# Altium PCB MCU.PcbDoc (part 3 of 3) (continued)
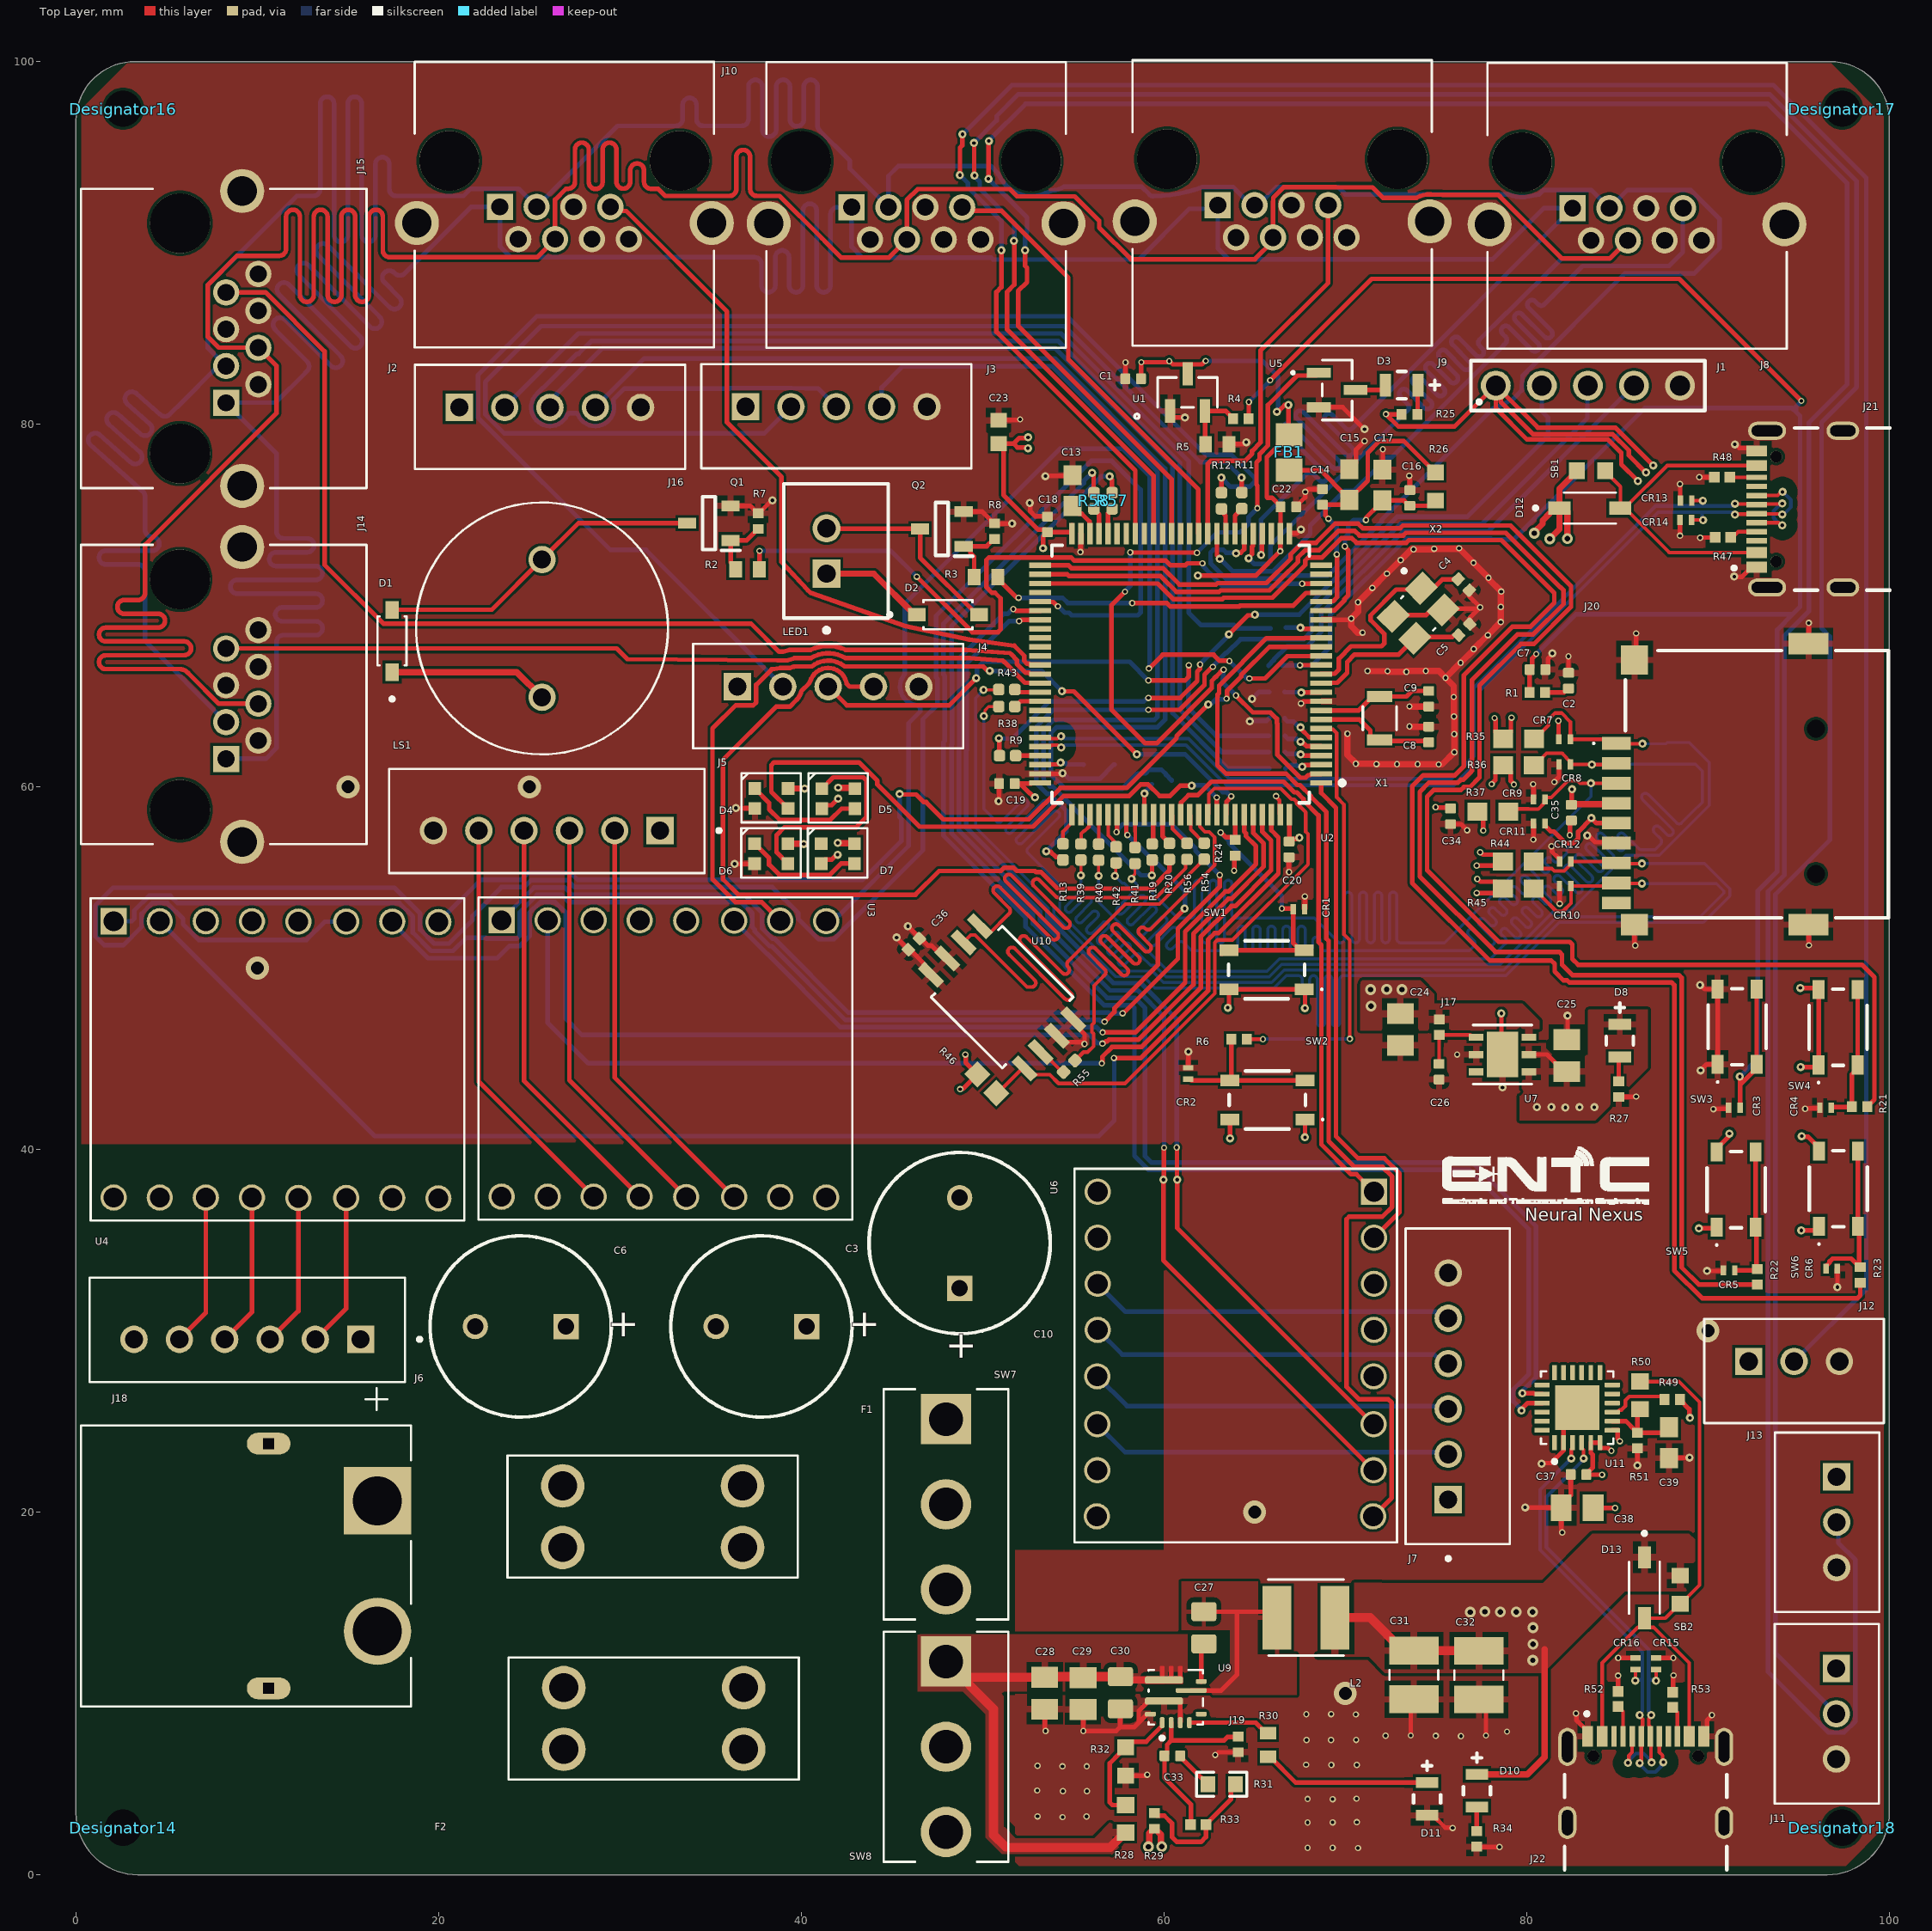
[diagram p0: Top Layer view]
## Nets (pads, with @x,y where several pads share a name; then routed paths per layer and width w, separated by ;. In a path a pad name is that pad's centre, name@x,y a point inside that pad or via, vN(x,y) a via of type N, cw(c..) or ccw(c..) an arc to the next point about the centre after c; other vN are vias at no path point) (continued)
SPI_CS: R46.1 U2.91 U10.1 | length 34.9
  Top Layer w0.2: R46.1@50.785,43.075 52.185,44.476 U10.1@52.306,44.476 52.656,44.126 53.704,44.126 54.188,43.642 57.85,43.642 62.81,48.603 62.81,51.414 62.956,51.56 63.78,51.56 67.945,55.725 67.945,57.397 67.82,57.522 67.82,58.596 67.32,59.096 67.32,59.174 67.174,59.32 67.034,59.32 66.439,59.915 62.775,59.915 62.47,59.61 62.47,58.52 U2.91@62.42,58.47
SPI_Flash_CLK: R54.2 U10.6 | length 31.3
  Top Layer w0.2: U10.6@48.947,51.427 49.348,51.827 49.584,51.827 52.451,48.96 52.47,48.96 52.705,48.96 ccw(c52.705,49.187) 52.866,49.348 51.456,50.757 cw(c51.617,50.917) 51.456,51.078 cw(c51.617,50.917) 51.777,51.078 54.547,48.308 ccw(c54.708,48.468) 54.868,48.308 ccw(c54.708,48.468) 54.868,48.629 52.1,51.398 cw(c52.26,51.558) 52.1,51.719 cw(c52.26,51.558) 52.421,51.719 54.395,49.744 ccw(c54.556,49.905) 54.716,49.744 ccw(c54.556,49.905) 54.716,50.065 cw(c54.877,50.226) 54.716,50.386 57.542,53.212 57.869,53.539 59.749,53.539 R54.2@62.22,56.01
SPI_Flash_MISO: R55.2 U10.2 | length 1.7
  Top Layer w0.2: U10.2@53.204,45.374 53.286,45.374 54.384,44.276 R55.2@54.466,44.276
SPI_Flash_MOSI: R56.1 U10.5 | length 31.7
  Top Layer w0.2: U10.5@49.845,52.325 50.196,51.974 50.431,51.974 51.388,52.932 51.459,53.002 ccw(c51.299,53.163) 51.459,53.323 50.641,54.141 cw(c50.802,54.302) 50.641,54.462 cw(c50.802,54.302) 50.962,54.462 53.795,51.63 ccw(c53.955,51.79) 54.116,51.63 ccw(c53.955,51.79) 54.116,51.951 51.283,54.783 cw(c51.444,54.944) 51.283,55.104 cw(c51.444,54.944) 51.604,55.104 54.437,52.272 ccw(c54.597,52.432) 54.758,52.272 ccw(c54.597,52.432) 54.758,52.593 52.818,54.532 cw(c52.979,54.693) 52.818,54.853 cw(c52.979,54.693) 53.139,54.853 54.038,53.955 ccw(c54.198,54.116) 54.198,53.889 55.757,53.889 59.569,53.889 61.192,55.512 61.192,55.922 R56.1@61.27,56
SW1: R21.1 U2.51 | length 88.1
  Top Layer w0.254: U2.51@53.17,72.22 54.743,72.22 54.897,72.066 59.946,72.066 60.854,71.158 62.876,71.158 62.958,71.24 65.65,71.24 66.985,72.575 66.985,72.819 67.621,73.455 68.378,73.455 69.445,74.522 70.699,74.522 70.953,74.268 73.026,74.268 73.176,74.417 79.113,74.417 82.45,71.08 82.45,69.93 80.4,67.88 79.69,67.88 77.4,65.59 77.4,60.52 76.87,59.99 76.543,59.99 76.385,59.832 74.882,59.832 74.51,59.46 74.51,55.4 78.46,51.45 82.371,51.45 82.52,51.301 82.52,50.51 82.84,50.19 98.49,50.19 99.18,49.5 99.18,42.756 98.967,42.543 98.937,42.543 98.794,42.4 R21.1@98.794,42.37
SW2: R22.1 U2.52 | length 90.5
  Top Layer w0.254: U2.52@53.17,71.72 54.671,71.72 54.767,71.624 59.817,71.624 59.937,71.504 60.687,70.754 63.044,70.754 63.126,70.836 65.817,70.836 66.485,71.504 67.389,72.408 67.389,72.652 67.788,73.051 68.546,73.051 69.613,74.118 70.531,74.118 70.785,73.864 73.193,73.864 73.343,74.013 78.853,74.013 81.882,70.984 81.897,70.984 82.039,70.842 82.039,70.091 80.349,68.4 79.49,68.4 76.98,65.89 76.98,60.9 76.95,60.87 76.95,60.834 76.51,60.394 76.375,60.394 76.217,60.236 74.616,60.236 74.106,59.726 74.106,55.064 78.27,50.9 81.801,50.9 81.95,50.751 81.95,50.19 82.52,49.62 88.401,49.62 88.55,49.471 88.55,33.5 89.502,32.548 R22.1@92.73,32.548
SW3: R23.1 U2.53 | length 96.9
  Top Layer w0.254: U2.53@53.17,71.22 59.649,71.22 59.769,71.1 60.519,70.35 63.211,70.35 63.293,70.432 65.985,70.432 66.653,71.1 67.793,72.24 67.793,72.485 67.955,72.647 68.713,72.647 69.78,73.714 70.364,73.714 70.618,73.46 73.361,73.46 73.51,73.609 78.603,73.609 81.525,70.687 81.525,70.147 80.207,68.83 79.21,68.83 76.58,66.2 ; 76.579,66.2 76.53,66.151 76.53,61.12 76.05,60.64 74.3,60.64 73.69,60.03 73.69,54.7 77.97,50.42 81.36,50.42 81.546,50.234 81.546,49.814 82.03,49.33 82.239,49.33 82.353,49.216 87.997,49.216 88.146,49.067 88.146,33.333 89.679,31.8 98.251,31.8 98.4,31.949 R23.1@98.4,32.648
SYS_RESET: C2.2 R1.2 | length 1.4
  Top Layer w0.254: R1.2@81.022,65.21 82.062,65.21 82.28,65.428 C2.2@82.31,65.428
USB2_CC1: J22.A5 R52.1 | length 1.8
  Top Layer w0.2: R52.1@85.05,9.27 85.055,9.27 85.32,9.005 J22.A5@85.32,7.63
USB2_CC2: J22.B5 R53.1 | length 1.7
  Top Layer w0.2: R53.1@88.05,9.23 88.055,9.23 88.25,9.035 88.25,9.03 88.32,8.96 J22.B5@88.32,7.63
USB2_DN: CR15.1 J22.A7 J22.B7 U11.4 | length 25.4
  Top Layer w0.2: U11.4@83.04,23.83 83.04,23.54 83.14,23.44 v2(83.14,22.96) ; v2(85.589,6.171) 85.637,6.219 85.637,6.572 85.82,6.755 J22.B7@85.82,7.63 ; v2(86.87,8.81) 86.87,8.742 86.745,8.617 86.745,8.222 86.77,8.197 86.77,7.68 J22.A7@86.82,7.63 86.855,7.595 86.855,6.227 v2(86.889,6.193) ; v2(87.14,10.7) CR15.1@87.14,11.32
  Bottom Layer w0.2: v2(83.14,22.96) 83.14,22.892 81.09,20.842 81.09,18.065 86.73,12.425 86.73,10.75 ; v2(85.589,6.171) 85.589,6.239 85.715,6.364 85.715,6.377 86.023,6.685 86.457,6.685 86.889,6.253 v2(86.889,6.193) ; v2(86.87,8.81) 86.87,8.878 86.73,9.018 86.73,10.75 ; v2(87.14,10.7) 87.092,10.748 86.732,10.748 86.73,10.75
USB2_DP: CR16.1 J22.A6 J22.B6 U11.3 | length 25.3
  Top Layer w0.2: v2(82.46,22.96) 82.46,23.46 82.54,23.54 U11.3@82.54,23.83 ; v2(85.99,10.71) 86,10.72 86,11.312 CR16.1@86.01,11.322 ; v2(86.24,6.16) 86.24,6.228 86.32,6.308 J22.A6@86.32,7.63 86.37,7.68 86.37,8.197 86.395,8.222 86.395,8.587 86.24,8.742 v2(86.24,8.81) ; J22.B6@87.32,7.63 87.32,6.755 87.491,6.584 87.491,6.253 v2(87.539,6.205)
  Bottom Layer w0.2: v2(82.46,22.96) 80.74,21.24 80.74,17.92 86.38,12.28 86.38,10.75 ; v2(85.99,10.71) 86.03,10.75 86.38,10.75 ; v2(86.24,6.16) 86.24,6.099 86.672,5.668 87.107,5.668 87.414,5.975 87.414,6.013 87.539,6.137 v2(87.539,6.205) ; v2(86.24,8.81) 86.24,8.878 86.38,9.018 86.38,10.75
USB_CC1: J21.A5 R47.1 | length 1.6
  Top Layer w0.2: R47.1@91.25,73.64 91.25,73.645 91.675,74.07 J21.A5@92.685,74.07
USB_CC2: J21.B5 R48.1 | length 1.5
  Top Layer w0.2: R48.1@91.2,77.08 91.21,77.07 J21.B5@92.685,77.07
V_IND: D11.1 R30.2 | length 9.4
  Top Layer w0.254: R30.2@65.74,6.51 65.84,6.51 67.27,5.08 D11.1@74.51,5.08
VBUS: D12.A J21.A4_B9 J21.B4_A9 SB1.2 | length 18.9
  Top Layer w0.2: SB1.2@84.33,77.43 84.33,77.4 85.17,76.56 D12.A@85.17,75.38 ; J21.A4_B9@92.685,72.92 87.87,72.92 85.41,75.38 87.75,77.72 J21.B4_A9@92.685,77.72
VBUS2: D13.A J22.A4_B9 J22.B4_A9 R50.1 SB2.2 | length 32.4
  Top Layer w0.2: J22.A4_B9@84.17,7.63 84.17,11.681 86.134,13.645 86.235,13.645 86.5,13.91 86.765,13.645 87.005,13.645 88.97,11.68 J22.B4_A9@88.97,7.63 ; R50.1@86.25,27.2 88.398,27.2 89.53,26.068 89.53,15.97 88.5,14.94 88.44,14.94 87.65,14.15 D13.A@86.5,14.15
VREF+: C16.2 C17.1 R26.1 U2.20 | length 11.3
  Top Layer w0.254: U2.20@68.67,69.72 68.693,69.743 69.406,69.743 69.951,70.288 69.951,70.359 70.17,70.578 70.17,73.033 69.967,73.236 v1(69.967,73.262) ; v1(71.14,74.72) 71.158,74.738 71.158,74.858 C17.1@71.864,75.563 ; C17.1@72.05,75.8 73.236,75.8 73.53,75.506 C16.2@73.56,75.506 74.696,75.506 R26.1@74.98,75.79
  Bottom Layer w0.254: v1(69.967,73.262) 69.986,73.28 69.986,73.761 70.17,73.945 70.17,74.43 70.457,74.717 71.137,74.717 v1(71.14,74.72)
pads on no net: D7.1 Designator14. Designator16. Designator17. Designator18. J8. J9. J10. J14. J15. J16. J20.CD1 J20.MH1 J20.MH2 J21. J21.A8 J21.B8 J22. J22.A8 J22.B8 SW7.3 SW8.3 U3.3 U3.4 U3.5 U4.3 U4.4 U4.5 U6.3 U6.4 U6.5 U7.3 U9.5 U11.1 U11.10 U11.11 U11.12 U11.13 U11.14 U11.15 U11.16 U11.17 U11.18 U11.19 U11.22 U11.23 U11.24

## Polygon pours and split planes (outlines as drawn)
GND on Top Layer "VEE_-5V0_L03_P-001" (solid, remove dead copper, pour order 104): 51.8,0.7 51.8,17.9 60,17.9 60,40.07 59.77,40.3 0.3,40.3 0.3,97.4 2.8,99.9 96.8,99.9 99.7,97 99.7,2.6 97.6,0.5 52,0.5
GND on Top Layer "VEE_-5V0_L03_P-001" (solid, pour order 103): 0.6,40.4 38.2,40.4 38.249,40.449 38.249,53.768 0.668,53.768 0.6,53.7 0.6,53.2
GND on Top Layer "VEE_-5V0_L03_P-001" (solid, pour order 5): 51.89,9.93 51.93,9.89 61.18,9.89 61.18,9.08 61.16,9.06 61.14,9.08 59.59,9.08 59.58,9.07 59.58,8.55 59.55,8.55 58.72,7.72 56.65,7.72 56.65,2.98 55.9,2.23 52.2,2.23 51.51,2.92 51.5,2.92 51.5,9.9 51.51,9.89 51.95,9.89
12V_LOGIC on Top Layer "VEE_-5V0_L03_P-001" (solid, pour order 4): 46.41,13.26 46.41,10.12 48.9,10.12 50.16,8.86 50.16,2.06 51.06,1.16 57.08,1.16 57.13,1.11 57.75,1.73 58.46,1.73 58.52,1.79 58.52,2.93 57.11,2.93 57.09,2.95 56.18,2.04 56.18,2 51.83,2 51.22,2.61 51.15,2.61 51.15,9.86 51.03,9.98 51.17,10.12 58.81,10.12 59.1,10.41 61,10.41 61.29,10.7 61.29,13.26 49.53,13.26 46.42,13.26 46.4,13.24
NetC27_1 on Top Layer "VEE_-5V0_L03_P-001" (solid, pour order 0): 60.62,10.34 60.62,9.92 67.33,9.92 67.33,16.18 60.97,16.18 60.96,16.19 60.96,13.5 63.64,13.5 63.64,11.6 62.38,10.34
5V on Top Layer "VEE_-5V0_L03_P-001" (solid, pour order 29): 70.82,49.16 70.82,46.57 79.45,46.57 79.68,46.8 79.7,46.78 79.7,45.88 80.75,45.88 80.72,45.91 80.71,45.91 80.71,47.11 79.76,48.06 74.89,48.06 74.89,48.58 74.14,49.33 70.86,49.33 70.86,49.13 70.85,49.12
GND on Top Layer "VEE_-5V0_L03_P-001" (solid, pour order 6): 56.86,0.57 66.91,0.57 66.91,9.18 62.89,9.18 62.89,7.65 56.87,7.65 56.86,7.64
5V on Top Layer "VEE_-5V0_L03_P-001" (solid, pour order 8): 72.01,16.1 72.02,16.09 80.91,16.09 80.91,11.13 72.18,11.13 71.29,12.02 68.46,12.02 68.46,16.09 68.45,16.1
5V on Top Layer "VEE_-5V0_L03_P-001" (solid, pour order 42): 83.63,18.81 88.96,18.81 89.73,18.04 89.72,18.03 89.72,15.63 85.42,15.63 80.92,11.13 79.78,11.13 79.78,14.96
3V3 on Top Layer "VEE_-5V0_L03_P-001" (solid, pour order 31): 79.7,45.88 81.06,45.88 81.06,45.59 81.44,45.21 83.38,45.21 83.38,47.67 83.44,47.73 86.69,47.73 86.69,44.506 83.794,41.61 79.62,41.61 79.62,45.686
GND on Top Layer "VEE_-5V0_L03_P-001" (solid, pour order 30): 74.56,46.26 74.43,46.39 70.84,46.39 70.8,46.35 70.8,43.1 79.57,43.1 79.66,43.19 79.565,43.285 79.565,46.685 77.76,46.685 77.56,46.485 77.56,45.98 75.71,45.98 75.44,45.71 74.76,46.39 74.39,46.39
GND on Top Layer "VEE_-5V0_L03_P-001" (solid, pour order 7): 67.15,9.6 68.05,10.5 71.69,10.5 72.04,10.85 72.05,10.84 80.04,10.84 80.49,10.84 80.49,6.66 73.25,6.66 73.25,0.87 67.14,0.87 67.14,9.62
5V on Power "VEE_-5V0_L03_P-001" (solid, pour order 62): 94.96,3.73 7.89,3.73 5.06,6.56 5.06,27.13 3.9,28.29 3.9,54.49 13.68,64.27 19.52,64.27 21.9,61.89 28.19,61.89 30.13,63.83 34.73,63.83 36.414,62.146 36.414,61.58 37.85,61.58 39.96,63.69 38.7,64.95 37.77,64.95 37.77,66.75 40.64,69.62 42,69.62 43.37,70.99 43.17,71.19 43.17,74.59 41.87,75.89 41.87,78.25 40.24,78.25 37.92,80.57 37.92,82.81 19.52,82.81 19.43,82.9 19.43,79.89 33.39,79.89 38.69,74.59 38.69,70.78 35,67.09 12.81,67.09 0.5,54.78 0.5,5.55 5.71,0.34 76.838,0.34
NetF1_2 on Power "VEE_-5V0_L03_P-001" (solid, pour order 106): 34.277,22.9 34.277,16.123 34.6,15.8 39,15.8 39,18.8 39.4,19.2 45.9,19.2 46.9,18.2 50.2,18.2 50.2,22.3 49.6,22.9
NetF2_2 on Power "VEE_-5V0_L03_P-001" (solid, pour order 105): 38.6,12.3 38.6,9 48.9,9 49.9,8 49.9,5.9 49.8,5.9 48.8,4.9 35.6,4.9 34.9,5.6 34.9,12.3
12V_MOTOR on Power "VEE_-5V0_L03_P-001" (solid, pour order 97): 19.06,38.98 18.98,38.9 15.8,38.9 15.8,32.8 17,31.6 19.06,31.6 19.06,29.04 21.8,26.3 41.9,26.3 43,25.2 43,23.24 43.12,23.12 50.9,23.12 50.9,20.7 53.7,17.9 59.6,17.9 59.6,25.8 51.2,34.2 49.1,34.2 44.6,38.7 38.5,38.7 38.5,37.9 35.3,34.7 23.6,34.7
3V3 on Power "VEE_-5V0_L03_P-001" (solid, pour order 68): 64.204,60.13 62.65,60.13 62.16,59.64 62.16,57.84 62.31,57.69 62.67,57.69 62.68,57.68 62.68,59.54 62.87,59.73 65.154,59.73
3V3 on Power "VEE_-5V0_L03_P-001" (solid, pour order 67): 68.591,60.92 63.46,60.92 61.5,62.88 52.52,62.88 52.49,62.91 52.46,62.88 52.46,61.95 61.13,61.95 62.95,60.13 63.18,59.96 63.38,59.83 63.48,59.73 66.42,59.73 67.1,59.05 67.34,59.29 68.301,59.29
5V on Power "VEE_-5V0_L03_P-001" (solid, pour order 82): 64.12,71.47 64.12,74.58 64.24,74.7 64.26,74.68 65.02,74.68 65.02,74.84 67.88,77.7 66.91,78.67 66.91,80.82 67.18,81.09 67.41,80.86 68.04,80.86 68.46,80.44 68.88,80.86 69.37,80.86 70.11,80.12 86.745,96.405
5V on Power "VEE_-5V0_L03_P-001" (solid, pour order 81): 19.93,99.19 84.06,99.19 92.35,90.9 87.69,86.24 84.1,86.24 69.24,71.38 69.17,71.45 62.88,71.45 62.1,72.23 62.14,72.27 62.14,72.98 62.31,72.98 62.87,73.54 62.88,73.53 66.39,73.53 66.39,74.26 71.18,79.05 71.18,81.34 71.48,81.34 78.47,88.33 42.31,88.33 42.16,88.48 42.16,86.79 36.4,86.79 36.49,86.88 36.49,88.16 33.29,88.16 33.03,88.42 32.92,88.31 19.36,88.31
3V3 on Power "VEE_-5V0_L03_P-001" (solid, pour order 85): 67.89,65.52 67.89,60.58 67.77,60.46 66.99,60.46 66.99,65.42 67.12,65.55 67.13,65.54 67.86,65.54
5V on Power "VEE_-5V0_L03_P-001" (solid, pour order 43): 78.09,23.35 78.11,23.33 83.6,23.33 83.6,22.81 81.41,20.62 81.41,18.2 81.44,18.2 86.89,12.75 87.03,12.89 93.99,12.89 93.99,24.39 94.02,24.42 91.07,27.37 90.88,27.37 90.88,30.11 91.01,30.24 91.02,30.23 99,30.23 99,3.29 96.03,0.32 77.9,0.32 77.9,23.19 78.06,23.35
3V3 on Power "VEE_-5V0_L03_P-001" (solid, pour order 72): 68.44,46.63 68.47,46.6 70.38,46.6 70.38,49.5 70.54,49.66 70.76,49.44 79.02,49.44 79.48,49.9 89.72,49.9 90.75,50.93 90.75,52.95 91.8,54 91.8,58.15 93,58.15 93.29,58.44 93.25,58.48 93.25,60.13 90.89,60.13 90.24,60.78 90.24,62.57 86.95,62.57 86.44,63.08 83.23,63.08 83.23,59.66 75.37,51.8 73.17,51.8 73.1,51.87 73.1,54.4 69.66,54.4 68.26,53 64.32,53 64.01,53.31 64.01,55.06 60.91,55.06 58.7,57.27 58.7,57.44 54.72,57.44 54.48,57.68 54.48,58.71 53.35,59.84 52.28,59.84 52.22,59.78 52.22,61.02 51.79,61.02 51.5,61.31 50.41,61.31 50.41,63.83 50.57,63.99 50.62,63.94 52.39,63.94 52.39,65.6 49.478,65.868 49.36,65.75 49.36,56.93 57.02,49.27 59,49.27 59.64,48.63 59.65,48.64 66.29,48.64 66.29,47.43 67.05,46.67
3V3 on Power "VEE_-5V0_L03_P-001" (solid, pour order 91): 55.03,72.45 55.52,71.96 62.04,71.96 62.15,71.85 62.15,71.52 62.15,71.34 61.76,71.34 54.73,71.34 54.73,71.99 54.55,72.17
5V on Power "VEE_-5V0_L03_P-001" (solid, pour order 83): 62.88,73.53 62.71,73.7 62.71,77.55 62.85,77.69 64.59,77.69 64.59,77.73 65.15,78.29 65.15,78.53 65.19,78.53 65.58,78.92 65.58,83.96 69.32,87.7 69.31,87.71 69.31,89.11 68.89,89.11 68.75,89.25 68.66,89.16 68.66,87.82 65,84.16 65.02,84.14 65.02,78.95 64.59,78.52 64.59,78.39 62.58,78.39 62.11,77.92 62.11,72.99 62.32,72.78 62.722,72.78
5V on Power "VEE_-5V0_L03_P-001" (solid, pour order 79): 37.77,66.75 37.8,66.72 50.836,66.72 52.046,65.51 53.735,65.51 53.735,66.875 53.83,66.97 53.73,67.07 52.51,67.07 52.51,67.49 51.73,68.27 49.37,68.27 49.37,68.41 48.85,68.93 46.21,68.93 44.15,70.99 40.15,70.99 37.14,67.98 37.14,67.46
3V3 on Power "VEE_-5V0_L03_P-001" (solid, pour order 45): 83.03,46.29 83.03,50.45 99.74,50.45 99.43,50.14 99.43,31.06 89.39,31.06 89.12,30.79 89.12,18.89 82.55,18.89 82.38,19.06 82.47,19.15 82.47,21.19 83.73,22.45 83.73,23.65 78.61,23.65 78.49,23.53 78.36,23.66 78.36,41.62
5V on Power "VEE_-5V0_L03_P-001" (solid, pour order 93): 0.61,66.4 0.47,66.26 0.47,53.4 3.06,53.4 8.52,58.86 6.85,60.53 6.85,65.1 6.08,65.1 3.933,67.247
5V on Power "VEE_-5V0_L03_P-001" (solid, pour order 80): 38.09,70.16 16.81,70.16 14.63,72.34 14.63,82.5 19.1,86.97 20.03,86.97 20.03,96.66 20.12,96.75 19.93,96.94 19.93,99.19 12.73,99.19 11.56,98.02 11.56,92.91 11.41,92.91 5.23,86.73 5.23,83.42 3.38,83.42 0.7,80.74 0.7,66.87 0.36,66.53 1.46,65.43 3.1,65.43 3.1,64.49 7.37,60.22 9.17,60.22 9.17,61.12 13.94,65.89 14.14,65.69 35.34,65.69
5V on Power "VEE_-5V0_L03_P-001" (solid, pour order 63): 4.82,27.21 5.14,27.53 14.02,27.53 14.02,29.64 15.19,30.81 15.42,30.58 17.62,30.58 17.62,26.63 15.35,24.36 3.29,24.36 3.14,24.51
5V on Power "VEE_-5V0_L03_P-001" (solid, pour order 28): 75.76,5 75.79,4.97 79.37,4.97 79.37,9.49 81.16,11.28 81.16,16.61 81.02,16.61 78.13,19.5 78.13,41.5 77.42,42.21 77.37,42.16 73.89,42.16 73.89,44.27 73.97,44.35 73.6,44.72 71.9,44.72 71.9,46.51 71.88,46.53 72.01,46.66 74.29,46.66 74.41,46.78 74.43,46.76 75.92,46.76 75.92,48.4 74.95,49.37 70.48,49.37 70.48,47.63 70.48,39.85 73.27,39.85 73.97,39.15 73.97,14.42 74.82,14.42 75.77,13.47 75.75,13.45 75.75,4.96
5V on Power "VEE_-5V0_L03_P-001" (solid, pour order 88): 68.79,76.28 69.48,76.28 73.01,79.81 72.07,80.75 71.09,80.75 68.37,78.03 68.55,77.85 68.55,76.25
3V3 on Power "VEE_-5V0_L03_P-001" (solid, pour order 94): 74.49,59.25 74.49,57.22 77.03,57.22 77.03,52.97 77.28,52.97 84.95,60.64 79.47,60.64 79.47,63.85 79.4,63.92 78.121,63.92
5V on Power "VEE_-5V0_L03_P-001" (solid, pour order 92): 75.45,77.62 80.81,72.26 81.96,72.26 83.04,73.34 83.04,74.31 81.24,74.31 76.49,79.06 75.4,79.06 75.06,78.72
5V on Power "VEE_-5V0_L03_P-001" (solid, pour order 90): 62.18,74.19 61.65,74.72 61.65,76.33 54.49,83.49 54.41,83.49 54.41,87.32 53.15,88.58 53.15,88.63 53.44,88.63 53.86,89.05 53.86,88.59 55,87.45 54.97,87.42 54.97,83.64 62.18,76.43
5V on Power "VEE_-5V0_L03_P-001" (solid, pour order 89): 61.67,74.71 63.08,74.71 63.15,74.64 63.15,73.44 63.086,73.44 62.801,73.155 62.706,73.25 61.7,73.25 61.7,74.67 61.67,74.7
3V3 on Power "VEE_-5V0_L03_P-001" (solid, pour order 87): 51.38,45.93 49,45.93 48.03,44.96 48.03,42.93 48.99,41.97 50.8,41.97 52.66,43.83 52.66,46.09
3V3 on Power "VEE_-5V0_L03_P-001" (solid, pour order 86): 51.06,55.47 50.99,55.47 47.5,51.98 51.42,48.06 51.42,44.64 51.3,44.64 49.74,43.08 50.77,42.05 50.77,41.95 50.78,41.95 52.43,43.6 52.62,43.41 58.59,43.41 62.61,47.43 66.29,47.43
3V3 on Power "VEE_-5V0_L03_P-001" (solid, pour order 84): 66.687,59.463 66.79,59.36 66.79,56.55 68.09,56.55 68.1,56.54 68.19,56.63 68.19,59.57
3V3 on Power "VEE_-5V0_L03_P-001" (solid, pour order 78): 52.83,73.25 52.08,74 52.08,74.61 50.32,76.37 50.32,79.57 52.85,79.57 53.02,79.4 52.97,79.35 52.97,78.29 51.54,78.29 51.41,78.16 51.41,76.11 52.99,74.53 52.99,73.98 53.12,73.98 53.51,73.59
3V3 on Power "VEE_-5V0_L03_P-001" (solid, pour order 75): 52.046,65.51 53.735,65.51 53.735,65.43 54.205,64.96 54.205,64.44 52.175,64.44 52.115,64.5 51.915,64.3 51.55,64.3
3V3 on Power "VEE_-5V0_L03_P-001" (solid, pour order 69): 52.83,73.29 53.13,73.59 53.89,73.59 55.03,72.45 55.03,62.75 54.87,62.59 53.96,62.59 53.96,72.38 53.48,72.86 52.83,72.86 52.83,73.25
5V on Power "VEE_-5V0_L03_P-001" (solid, pour order 66): 31.11,63.91 31.16,63.86 31.16,56.41 33.16,56.41 33.45,56.7 33.45,64.22
3V3 on Power "VEE_-5V0_L03_P-001" (solid, pour order 64): 86.38,75.93 85.64,76.67 85.64,77.17 86.67,78.2 87.32,78.2 87.65,77.87 87.65,75.8 87.77,75.68
3V3 on Power "VEE_-5V0_L03_P-001" (solid, pour order 51): 68.2,60.8 68.22,60.78 75.75,60.78 76.57,61.6 76.57,66.12 86.38,75.93 91.34,75.93 92.05,76.64 94.43,76.64 94.45,76.66 94.52,76.59 94.52,74 91.95,74 91.33,74.62 87.4,74.62 87.36,74.66 77.94,65.24 77.94,63.92 78.15,63.71 78.15,59.29 67.93,59.29 67.93,59.68
3V3 on Power "VEE_-5V0_L03_P-001" (solid, pour order 55): 55.2,35.84 55.15,35.89 55.15,39.94 53.51,41.58 34.83,41.58 25.92,41.58 25.92,39.38 25.16,38.62 25.16,36.56 26.86,36.56 26.86,38.64 28.3,40.08 28.3,40.28 53.32,40.28 54.18,39.42 54.18,35.07 55.07,34.18
3V3 on Power "VEE_-5V0_L03_P-001" (solid, pour order 56): 3.87,36.48 3.89,36.46 5.41,36.46 5.41,39.07 6.4,40.06 25.88,40.06 25.98,39.96 26.24,40.22 26.57,40.22 26.57,41.29 26.3,41.56 5.96,41.56 3.9,39.5 3.9,36.49 3.87,36.46
3V3 on Power "VEE_-5V0_L03_P-001" (solid, pour order 54): 67.43,41.26 62.84,41.26 58.01,36.43 58.01,35.84 55.2,35.84 55.01,35.65 55.07,35.59 55.07,34.18 58.79,34.18 64.49,39.88 67.03,39.88 67.05,39.9
3V3 on Power "VEE_-5V0_L03_P-001" (solid, pour order 53): 66.98,46.74 67.05,46.67 67.05,39.9 68.37,39.9 68.55,40.08 68.55,47.49
12V_MOTOR on Power "VEE_-5V0_L03_P-001" (solid, pour order 35): 46.389,28.91 38.83,28.91 38.83,31.36 38.67,31.52 40.32,33.17 40.32,38.57 42.79,38.57 42.79,33.65 47.02,33.65 48.752,33.65
5V on Power "VEE_-5V0_L03_P-001" (solid, pour order 41): 36.34,61.52 38.59,59.27 38.59,54.99 38.62,54.96 38.7,55.04 43.9,55.04 43.9,61.01 43.91,61.02 40.95,63.98 39.37,63.98
12V_MOTOR on Power "VEE_-5V0_L03_P-001" (solid, pour order 36): 36.309,31.87 29.9,31.87 29.9,30.44 27.92,28.46 25.25,28.46 25.25,31.13 22.47,33.91 20.1,33.91 20.1,34.07 18.6,35.57 18.6,38.52 19.06,38.98 21.2,38.98 21.2,38.89 21.82,38.27 21.82,36.19 24.68,36.19 26.98,33.89 39.96,33.89 41.92,31.93 41.92,29.35 42.05,29.22 41.73,28.9 38.74,28.9 38.74,28.98 36.309,31.411
12V_MOTOR on Power "VEE_-5V0_L03_P-001" (solid, pour order 34): 46,23.17 46.05,23.12 49.76,23.12 49.76,29.94 50.4,30.58 51.29,30.58 52.39,29.48 52.39,20.54 54.3,18.63 57.58,18.63 57.58,18.64 58.945,20.005 57.95,21 55.01,21 54.71,21.3 54.71,30.79 51.85,33.65 47.73,33.65 47.07,32.99 47.07,31.25 46,30.18 46,23.2 46.03,23.17
5V on Power "VEE_-5V0_L03_P-001" (solid, pour order 26): 60.07,2.88 60.08,2.87 60.08,1.34 60.19,1.23 76.36,1.23 76.36,6.23 76.32,6.27 76.34,6.29 78.43,6.29 78.43,0.48 78.25,0.3 58.78,0.3 58.78,2.85 58.75,2.88
12V_IN on Power "VEE_-5V0_L03_P-001" (solid, pour order 25): 14.05,23.9 14.05,18.5 14.94,17.61 18.78,17.61 19.24,17.15 19.24,4.3 28.7,4.3 28.7,22 26.8,23.9
GND_MOTOR on GND "VEE_-5V0_L03_P-001" (solid, pour order 38): 13.83,11.14 19.14,11.14 19.14,14.37 51.5,14.37 51.5,17.85 51.4,17.95 51.57,18.12 59.65,18.12 59.65,26.4 59.65,29.5 59.65,39.87 43.48,39.87 43.25,39.87 38.47,39.87 22.46,39.87 13.73,39.87 13.73,32.76 13.73,11.27 13.83,11.17
GND on GND "VEE_-5V0_L03_P-001" (solid, pour order 15): 0.165,54.555 0.235,54.485 0.235,40.1 60.01,40.1 60.01,17.935 51.805,17.935 51.805,14.085 19.395,14.085 19.395,0.585 19.525,0.455 19.535,0.465 99.755,0.465 99.755,97.003 96.813,99.945 0.165,99.945
GND on GND "VEE_-5V0_L03_P-001" (solid, pour order 96): 19.4,2.74 13.56,2.74 12.52,3.78 13.72,4.98 13.72,7.21 12.565,8.365 13.45,9.25 13.45,35.28 0.36,35.28 0.36,2.44 2.29,0.51 19.88,0.51 19.88,2.64 19.75,2.77
GND_MOTOR on GND "VEE_-5V0_L03_P-001" (solid, pour order 95): 13.73,39.87 13.62,39.76 0.28,39.76 0.28,35.68 0.19,35.59 15.67,35.59 15.8,35.46 16.16,35.82 16.16,38.86
GND_MOTOR on GND "VEE_-5V0_L03_P-001" (solid, pour order 47): 13.74,13.975 13.74,9.155 11.79,7.205 11.81,7.185 11.81,5.005 13.81,3.005 19.15,3.005 19.15,13.835 19.145,13.841
GND on Bottom Layer "VEE_-5V0_L03_P-001" (solid, remove dead copper, pour order 101): 0.5,97.7 2.6,99.8 97.4,99.8 99.7,97.5 99.7,2.8 97.2,0.3 52,0.3 60.2,8.5 60.2,40.7 0.5,40.7

## Other copper
GND:
  pour cut-out: 99.8,2.6 97.6,0.4 97.6,0.1 99.7,0.1 100,0.4 100,2.4
  pour cut-out: 0.05,97.25 2.85,100.05 0.25,100.05 0.05,100.25

## Silkscreen, mask and mechanical layers (free items; w line width, h text height)
Top Overlay:
  drawing of 10 lines, arcs and shapes, not listed
  text "Neural Nexus" at 79.9,35.814 h1.2

## Text inside footprints (layer, text, board x,y; h text height)
C3: Top Overlay "+" at 44.35,30.99 h1.5 r180
C6: Top Overlay "+" at 31.07,30.99 h1.5 r180
C10: Top Overlay "+" at 49.48,28.29 h1.5 r90
U10: Top 3D Body "*" at 51.983,45.661 h1.27 r135